# KiCad board Sound Board.kicad_pcb
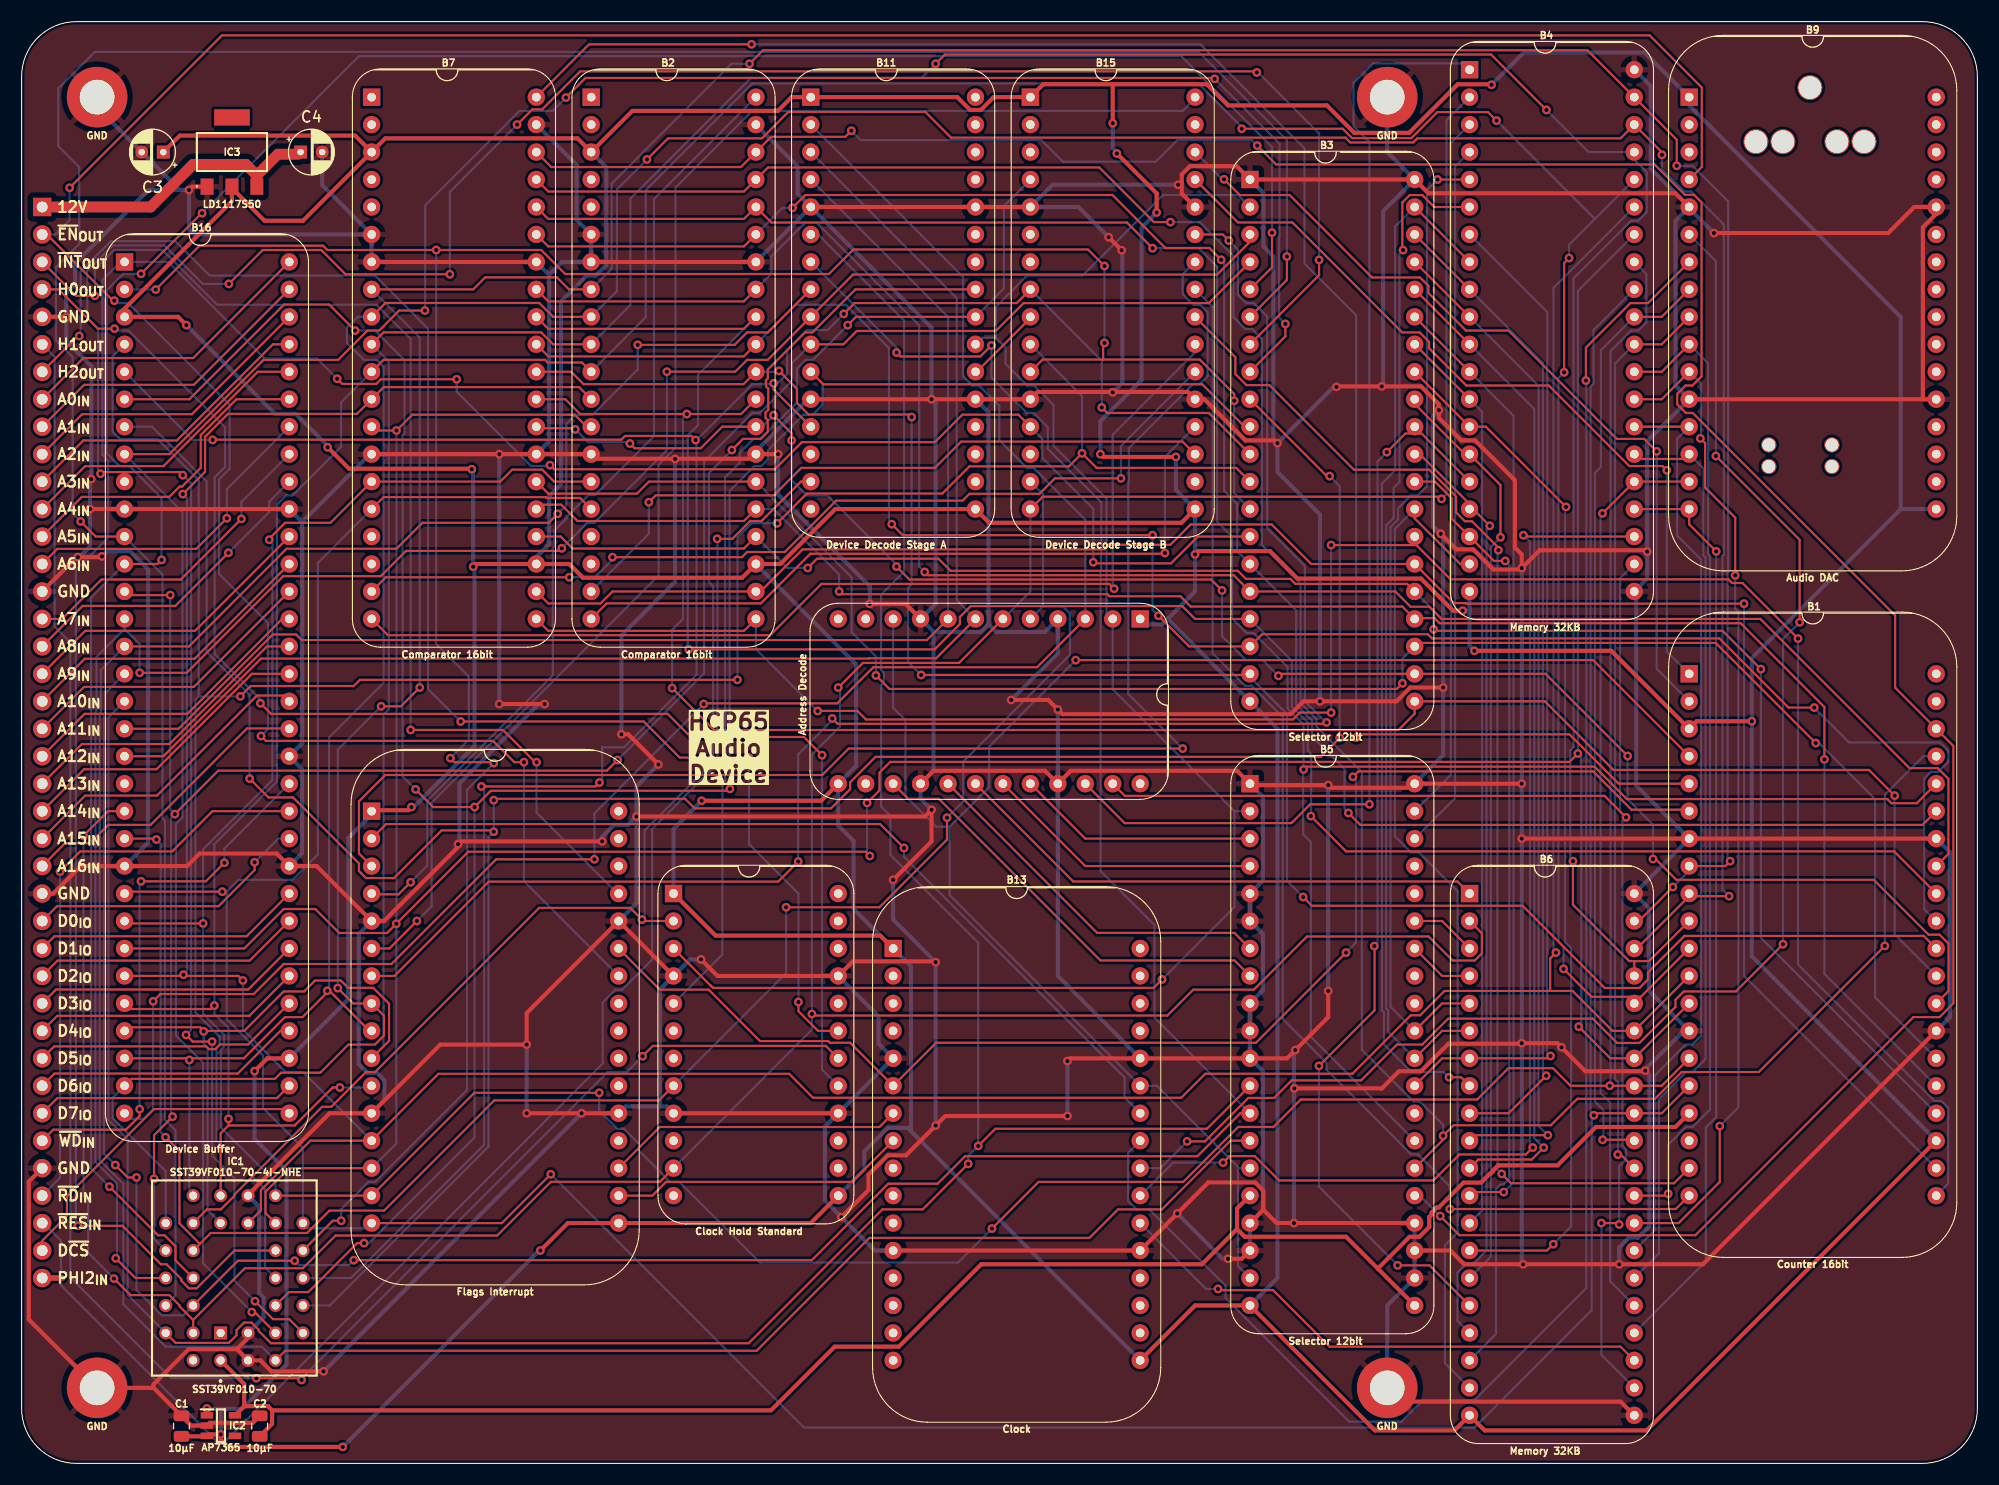
[diagram p0: board, top side]
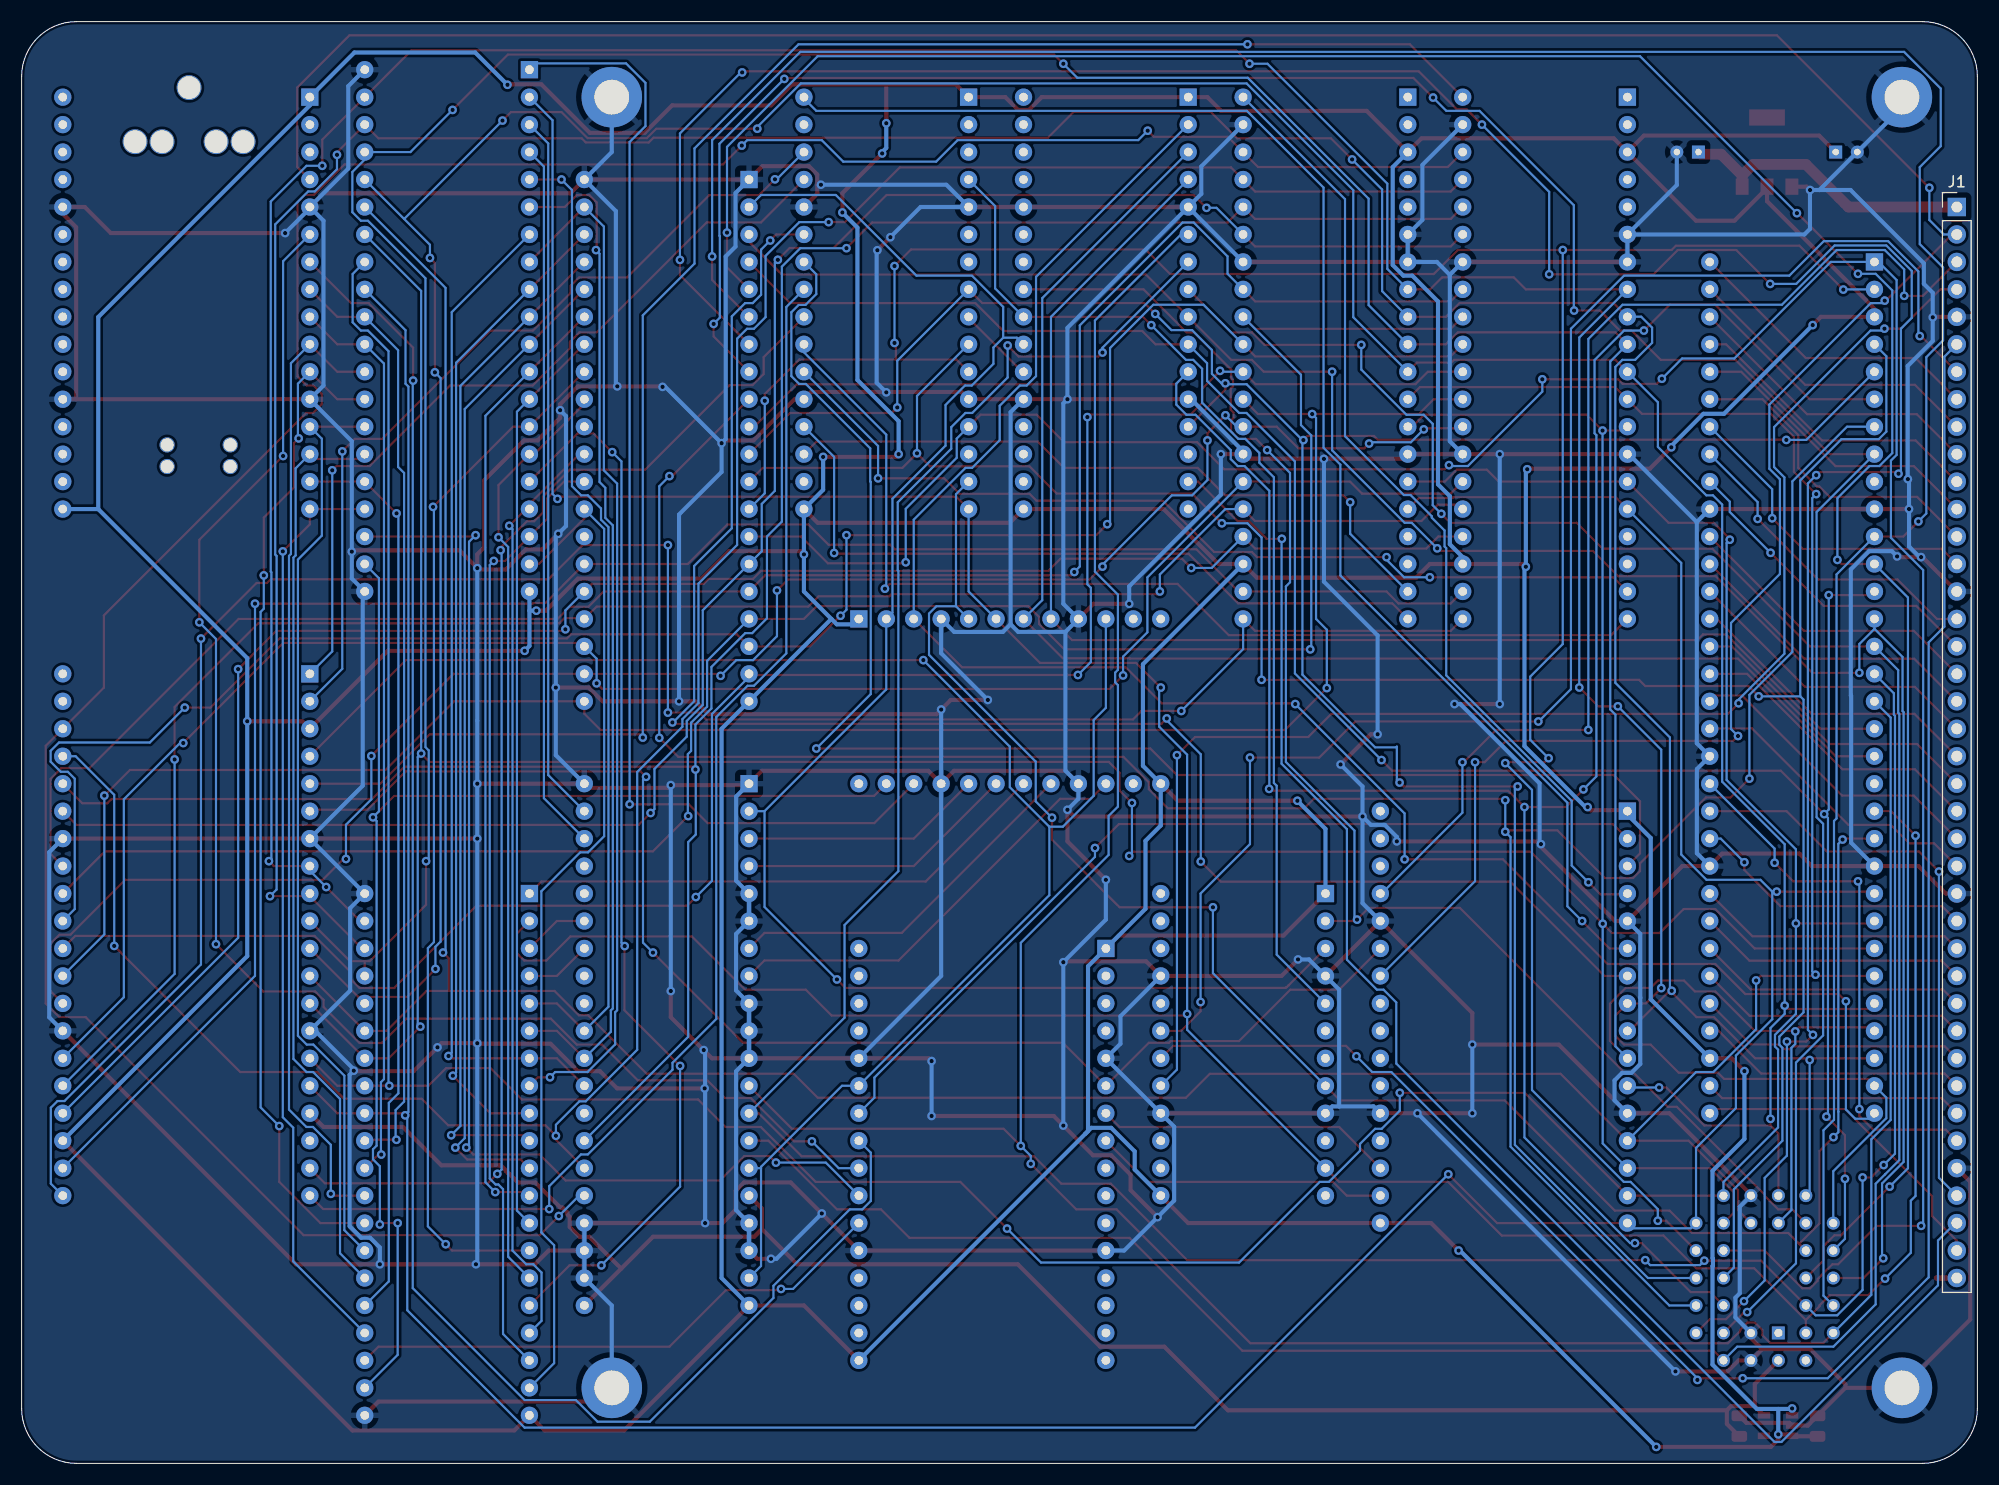
[diagram p1: board, bottom side, seen from below]

Outline 180.97 x 133.35 mm; copper layers: Top, Bottom. Coordinates in mm from the lower left corner of the outline.
Outline path: 0,128.27 arc(1.49,131.86) 5.08,133.35 175.89,133.35 arc(179.49,131.86) 180.97,128.27 180.97,5.08 arc(179.49,1.49) 175.89,0 5.08,0 arc(1.49,1.49) 0,5.08 0,128.27
Stack: Top 0.035mm / dielectric 1.51mm FR4 er 4.5 / Bottom 0.035mm

## Placement (name value [footprint] x y rotation side)
B1  Counter 16bit with IO  [HCP65_Counter_16bit_DIO]  154.31 73.03 0 top
B2  Comparator 16bit  [HCP65_Comparator_16bit]  52.7 126.37 0 top
B3  Selector 12bit  [HCP65_Selector_12bit]  113.66 118.75 0 top
B4  Memory 32KB  [HCP65_Memory_32KB_With_Latch]  133.98 128.91 0 top
B5  Selector 12bit  [HCP65_Selector_12bit]  113.66 62.87 0 top
B6  Memory 32KB  [HCP65_Memory_32KB_With_Latch]  133.98 52.71 0 top
B7  Comparator 16bit  [HCP65_Comparator_16bit]  32.39 126.37 0 top
B8  Flags Interrupt  [HCP65_Flags_Interrupt]  32.39 60.33 0 top
B9  Audio DAC  [HCP65_Audio_DAC]  154.31 126.37 0 top
B10  Clock Hold Standard  [HCP65_Clock_Hold_Standard]  60.32 52.71 0 top
B11  Device Decode Stage A  [HCP65_Device_Decode_Stage_A]  73.02 126.37 0 top
B12  Sound Address Decode  [HCP65_Sound_Address_Decode]  103.5 78.11 270 top
B13  Sound Clock  [HCP65_Sound_Clock]  80.64 47.63 0 top
B15  Device Decode Stage B  [HCP65_Device_Decode_Stage_B]  93.34 126.37 0 top
B16  Device Buffer  [HCP65_Device_Buffer]  9.53 111.13 0 top
C1  10µF  [C_0805]  14.79 3.43 0 top
C2  10µF  [C_0805]  22.03 3.43 0 top
C3  C_Polarized  [CP_Radial_D4.0mm_P2.00mm]  13.11 121.29 180 top
C4  C_Polarized  [CP_Radial_D4.0mm_P2.00mm]  25.81 121.29 0 top
H1  MountingHole_Pad  [HCP65_MountingHole_M3_]  6.98 126.37 0 top
H2  MountingHole_Pad  [HCP65_MountingHole_M3_]  6.98 6.99 0 top
H3  MountingHole_Pad  [HCP65_MountingHole_M3_]  126.37 6.99 0 top
H4  MountingHole_Pad  [HCP65_MountingHole_M3_]  126.37 126.37 0 top
IC1  SST39VF010-70-4I-NHE  [5408803224008]  18.41 12.06 0 top
IC2  AP7365-33WG-7  [SOT95P285X130-5N]  18.44 3.5 0 top
IC3  LD1117S50C  [LD1117S33C]  19.46 121.29 0 top
J1  Conn_01x40_Pin  [PinHeader_1x40_P2.54mm_Vertical]  1.9 116.21 180 bottom
NT1  NetTie_2  [NetTie-2_SMD_Pad0.5mm]  3.29 17.15 0 top

## Library data of the parts
B1 = -: Description: Counter 16bit; Silkscreen: Counter 16bit
B12 = -: Silkscreen: Address Decode
B13 = -: Silkscreen: Clock
C1 C2 = -: Description: Unpolarized capacitor, small symbol
C3 C4 = -: Description: Polarized capacitor
H1-H4 = -: Description: Mounting Hole with connection
IC1 = -: Description: Preci-Dip 1.27mm Pitch Female PLCC Socket, 32 Way, Through Hole, Tin Plated Contacts 1A; Height: 8.2; Manufacturer_Name: Microchip; Silkscreen: SST39VF010-70
IC2 = -: Description: DiodesZetex AP7365-33WG-7, LDO Voltage Regulator, 600mA, 3.3 V +/-2%, 2  6 Vin, 5-Pin SOT-25; Arrow Price/Stock: https://www.arrow.com/en/products/ap7365-33wg-7/diodes-incorporated?region=nac; Height: 1.3; Manufacturer_Name: Diodes Inc.; Mouser Part Number: 621-AP7365-33WG-7; Mouser Price/Stock: https://www.mouser.co.uk/ProductDetail/Diodes-Incorporated/AP7365-33WG-7?qs=abZ1nkZpTuOZFvxvoFPL0w%3D%3D; Silkscreen: AP7365
IC3 = -: Description: IC: voltage regulator; LDO, linear, fixed; 5.0V; 0.95A; SOT223; SMD; Height: 1.8; Manufacturer_Name: STMicroelectronics; Silkscreen: LD1117S50
J1 = -: Description: Generic connector, single row, 01x40, script generated
NT1 = -: Description: Net tie, 2 pins

## Footprints (pads in the part's own frame, mm; a bottom-side part is the same pattern mirrored in y, then rotated)
5408803224008
  rect 1.2x1.2 hole 0.75: 1(0,0)
  round 1.2 hole 0.75: 2(2.54,-2.54) 3(2.54,0) 4(5.08,-2.54) 5(7.62,0) 6(5.08,0) 7(7.62,2.54) 8(5.08,2.54) 9(7.62,5.08) 10(5.08,5.08) 11(7.62,7.62) 12(5.08,7.62) 13(7.62,10.16) 14(5.08,12.7) 15(5.08,10.16) 16(2.54,12.7) 17(2.54,10.16) 18(0,12.7) 19(0,10.16) 20(-2.54,12.7) 21(-5.08,10.16) 22(-2.54,10.16) 23(-5.08,7.62) 24(-2.54,7.62) 25(-5.08,5.08) 26(-2.54,5.08) 27(-5.08,2.54) 28(-2.54,2.54) 29(-5.08,0) 30(-2.54,-2.54) 31(-2.54,0) 32(0,-2.54)
C_0805
  rrect 1.45x1 smd: 1(0,-0.934) 2(0,0.966)
CP_Radial_D4.0mm_P2.00mm
  rect 1.2x1.2 hole 0.6: 1(0,0)
  round 1.2 hole 0.6: 2(2,0)
HCP65_Audio_DAC
  round 2.3 hole 2.1: (6.176,-4.119) (8.676,-4.119) (11.176,0.881) (13.676,-4.119) (16.176,-4.119)
  round 1.4 hole 1.2: (7.366,-32.163) (7.366,-34.163) (13.208,-32.163) (13.208,-34.163)
  rect 1.6x1.6 hole 0.8: 1(0,0)
  oval 1.6x1.6 hole 0.8: 2(0,-2.54) 3(0,-5.08) 4(0,-7.62) 5(0,-10.16) 6(0,-12.7) 7(0,-15.24) 8(0,-17.78) 9(0,-20.32) 10(0,-22.86) 11(0,-25.4) 12(0,-27.94) 13(0,-30.48) 14(0,-33.02) 15(0,-35.56) 16(0,-38.1) 17(22.86,-38.1) 18(22.86,-35.56) 19(22.86,-33.02) 20(22.86,-30.48) 21(22.86,-27.94) 22(22.86,-25.4) 23(22.86,-22.86) 24(22.86,-20.32) 25(22.86,-17.78) 26(22.86,-15.24) 27(22.86,-12.7) 28(22.86,-10.16) 29(22.86,-7.62) 30(22.86,-5.08) 31(22.86,-2.54) 32(22.86,0)
HCP65_Clock_Hold_Standard
  rect 1.6x1.6 hole 0.8: 1(0,0)
  oval 1.6x1.6 hole 0.8: 2(0,-2.54) 3(0,-5.08) 4(0,-7.62) 5(0,-10.16) 6(0,-12.7) 7(0,-15.24) 8(0,-17.78) 9(0,-20.32) 10(0,-22.86) 11(0,-25.4) 12(0,-27.94) 13(15.24,-27.94) 14(15.24,-25.4) 15(15.24,-22.86) 16(15.24,-20.32) 17(15.24,-17.78) 18(15.24,-15.24) 19(15.24,-12.7) 20(15.24,-10.16) 21(15.24,-7.62) 22(15.24,-5.08) 23(15.24,-2.54) 24(15.24,0)
HCP65_Comparator_16bit
  rect 1.6x1.6 hole 0.8: 1(0,0)
  oval 1.6x1.6 hole 0.8: 2(0,-2.54) 3(0,-5.08) 4(0,-7.62) 5(0,-10.16) 6(0,-12.7) 7(0,-15.24) 8(0,-17.78) 9(0,-20.32) 10(0,-22.86) 11(0,-25.4) 12(0,-27.94) 13(0,-30.48) 14(0,-33.02) 15(0,-35.56) 16(0,-38.1) 17(0,-40.64) 18(0,-43.18) 19(0,-45.72) 20(0,-48.26) 21(15.24,-48.26) 22(15.24,-45.72) 23(15.24,-43.18) 24(15.24,-40.64) 25(15.24,-38.1) 26(15.24,-35.56) 27(15.24,-33.02) 28(15.24,-30.48) 29(15.24,-27.94) 30(15.24,-25.4) 31(15.24,-22.86) 32(15.24,-20.32) 33(15.24,-17.78) 34(15.24,-15.24) 35(15.24,-12.7) 36(15.24,-10.16) 37(15.24,-7.62) 38(15.24,-5.08) 39(15.24,-2.54) 40(15.24,0)
HCP65_Counter_16bit_DIO
  rect 1.6x1.6 hole 0.8: 1(0,0)
  oval 1.6x1.6 hole 0.8: 2(0,-2.54) 3(0,-5.08) 4(0,-7.62) 5(0,-10.16) 6(0,-12.7) 7(0,-15.24) 8(0,-17.78) 9(0,-20.32) 10(0,-22.86) 11(0,-25.4) 12(0,-27.94) 13(0,-30.48) 14(0,-33.02) 15(0,-35.56) 16(0,-38.1) 17(0,-40.64) 18(0,-43.18) 19(0,-45.72) 20(0,-48.26) 21(22.86,-48.26) 22(22.86,-45.72) 23(22.86,-43.18) 24(22.86,-40.64) 25(22.86,-38.1) 26(22.86,-35.56) 27(22.86,-33.02) 28(22.86,-30.48) 29(22.86,-27.94) 30(22.86,-25.4) 31(22.86,-22.86) 32(22.86,-20.32) 33(22.86,-17.78) 34(22.86,-15.24) 35(22.86,-12.7) 36(22.86,-10.16) 37(22.86,-7.62) 38(22.86,-5.08) 39(22.86,-2.54) 40(22.86,0)
HCP65_Device_Buffer
  rect 1.6x1.6 hole 0.8: 1(0,0)
  oval 1.6x1.6 hole 0.8: 2(0,-2.54) 3(0,-5.08) 4(0,-7.62) 5(0,-10.16) 6(0,-12.7) 7(0,-15.24) 8(0,-17.78) 9(0,-20.32) 10(0,-22.86) 11(0,-25.4) 12(0,-27.94) 13(0,-30.48) 14(0,-33.02) 15(0,-35.56) 16(0,-38.1) 17(0,-40.64) 18(0,-43.18) 19(0,-45.72) 20(0,-48.26) 21(0,-50.8) 22(0,-53.34) 23(0,-55.88) 24(0,-58.42) 25(0,-60.96) 26(0,-63.5) 27(0,-66.04) 28(0,-68.58) 29(0,-71.12) 30(0,-73.66) 31(0,-76.2) 32(0,-78.74) 33(15.24,-78.74) 34(15.24,-76.2) 35(15.24,-73.66) 36(15.24,-71.12) 37(15.24,-68.58) 38(15.24,-66.04) 39(15.24,-63.5) 40(15.24,-60.96) 41(15.24,-58.42) 42(15.24,-55.88) 43(15.24,-53.34) 44(15.24,-50.8) 45(15.24,-48.26) 46(15.24,-45.72) 47(15.24,-43.18) 48(15.24,-40.64) 49(15.24,-38.1) 50(15.24,-35.56) 51(15.24,-33.02) 52(15.24,-30.48) 53(15.24,-27.94) 54(15.24,-25.4) 55(15.24,-22.86) 56(15.24,-20.32) 57(15.24,-17.78) 58(15.24,-15.24) 59(15.24,-12.7) 60(15.24,-10.16) 61(15.24,-7.62) 62(15.24,-5.08) 63(15.24,-2.54) 64(15.24,0)
HCP65_Device_Decode_Stage_A
  rect 1.6x1.6 hole 0.8: 1(0,0)
  oval 1.6x1.6 hole 0.8: 2(0,-2.54) 3(0,-5.08) 4(0,-7.62) 5(0,-10.16) 6(0,-12.7) 7(0,-15.24) 8(0,-17.78) 9(0,-20.32) 10(0,-22.86) 11(0,-25.4) 12(0,-27.94) 13(0,-30.48) 14(0,-33.02) 15(0,-35.56) 16(0,-38.1) 17(15.24,-38.1) 18(15.24,-35.56) 19(15.24,-33.02) 20(15.24,-30.48) 21(15.24,-27.94) 22(15.24,-25.4) 23(15.24,-22.86) 24(15.24,-20.32) 25(15.24,-17.78) 26(15.24,-15.24) 27(15.24,-12.7) 28(15.24,-10.16) 29(15.24,-7.62) 30(15.24,-5.08) 31(15.24,-2.54) 32(15.24,0)
HCP65_Device_Decode_Stage_B
  rect 1.6x1.6 hole 0.8: 1(0,0)
  oval 1.6x1.6 hole 0.8: 2(0,-2.54) 3(0,-5.08) 4(0,-7.62) 5(0,-10.16) 6(0,-12.7) 7(0,-15.24) 8(0,-17.78) 9(0,-20.32) 10(0,-22.86) 11(0,-25.4) 12(0,-27.94) 13(0,-30.48) 14(0,-33.02) 15(0,-35.56) 16(0,-38.1) 17(15.24,-38.1) 18(15.24,-35.56) 19(15.24,-33.02) 20(15.24,-30.48) 21(15.24,-27.94) 22(15.24,-25.4) 23(15.24,-22.86) 24(15.24,-20.32) 25(15.24,-17.78) 26(15.24,-15.24) 27(15.24,-12.7) 28(15.24,-10.16) 29(15.24,-7.62) 30(15.24,-5.08) 31(15.24,-2.54) 32(15.24,0)
HCP65_Flags_Interrupt
  rect 1.6x1.6 hole 0.8: 1(0,0)
  oval 1.6x1.6 hole 0.8: 2(0,-2.54) 3(0,-5.08) 4(0,-7.62) 5(0,-10.16) 6(0,-12.7) 7(0,-15.24) 8(0,-17.78) 9(0,-20.32) 10(0,-22.86) 11(0,-25.4) 12(0,-27.94) 13(0,-30.48) 14(0,-33.02) 15(0,-35.56) 16(0,-38.1) 17(22.86,-38.1) 18(22.86,-35.56) 19(22.86,-33.02) 20(22.86,-30.48) 21(22.86,-27.94) 22(22.86,-25.4) 23(22.86,-22.86) 24(22.86,-20.32) 25(22.86,-17.78) 26(22.86,-15.24) 27(22.86,-12.7) 28(22.86,-10.16) 29(22.86,-7.62) 30(22.86,-5.08) 31(22.86,-2.54) 32(22.86,0)
HCP65_Memory_32KB_With_Latch
  rect 1.6x1.6 hole 0.8: 1(0,0)
  oval 1.6x1.6 hole 0.8: 2(0,-2.54) 3(0,-5.08) 4(0,-7.62) 5(0,-10.16) 6(0,-12.7) 7(0,-15.24) 8(0,-17.78) 9(0,-20.32) 10(0,-22.86) 11(0,-25.4) 12(0,-27.94) 13(0,-30.48) 14(0,-33.02) 15(0,-35.56) 16(0,-38.1) 17(0,-40.64) 18(0,-43.18) 19(0,-45.72) 20(0,-48.26) 21(15.24,-48.26) 22(15.24,-45.72) 23(15.24,-43.18) 24(15.24,-40.64) 25(15.24,-38.1) 26(15.24,-35.56) 27(15.24,-33.02) 28(15.24,-30.48) 29(15.24,-27.94) 30(15.24,-25.4) 31(15.24,-22.86) 32(15.24,-20.32) 33(15.24,-17.78) 34(15.24,-15.24) 35(15.24,-12.7) 36(15.24,-10.16) 37(15.24,-7.62) 38(15.24,-5.08) 39(15.24,-2.54) 40(15.24,0)
HCP65_MountingHole_M3_
  round 5.6 hole 3.2: 1(0,0)
HCP65_Selector_12bit
  rect 1.6x1.6 hole 0.8: 1(0,0)
  oval 1.6x1.6 hole 0.8: 2(0,-2.54) 3(0,-5.08) 4(0,-7.62) 5(0,-10.16) 6(0,-12.7) 7(0,-15.24) 8(0,-17.78) 9(0,-20.32) 10(0,-22.86) 11(0,-25.4) 12(0,-27.94) 13(0,-30.48) 14(0,-33.02) 15(0,-35.56) 16(0,-38.1) 17(0,-40.64) 18(0,-43.18) 19(0,-45.72) 20(0,-48.26) 21(15.24,-48.26) 22(15.24,-45.72) 23(15.24,-43.18) 24(15.24,-40.64) 25(15.24,-38.1) 26(15.24,-35.56) 27(15.24,-33.02) 28(15.24,-30.48) 29(15.24,-27.94) 30(15.24,-25.4) 31(15.24,-22.86) 32(15.24,-20.32) 33(15.24,-17.78) 34(15.24,-15.24) 35(15.24,-12.7) 36(15.24,-10.16) 37(15.24,-7.62) 38(15.24,-5.08) 39(15.24,-2.54) 40(15.24,0)
HCP65_Sound_Address_Decode
  rect 1.6x1.6 hole 0.8: 1(0,0)
  oval 1.6x1.6 hole 0.8: 2(0,-2.54) 3(0,-5.08) 4(0,-7.62) 5(0,-10.16) 6(0,-12.7) 7(0,-15.24) 8(0,-17.78) 9(0,-20.32) 10(0,-22.86) 11(0,-25.4) 12(0,-27.94) 13(15.24,-27.94) 14(15.24,-25.4) 15(15.24,-22.86) 16(15.24,-20.32) 17(15.24,-17.78) 18(15.24,-15.24) 19(15.24,-12.7) 20(15.24,-10.16) 21(15.24,-7.62) 22(15.24,-5.08) 23(15.24,-2.54) 24(15.24,0)
HCP65_Sound_Clock
  rect 1.6x1.6 hole 0.8: 1(0,0)
  oval 1.6x1.6 hole 0.8: 2(0,-2.54) 3(0,-5.08) 4(0,-7.62) 5(0,-10.16) 6(0,-12.7) 7(0,-15.24) 8(0,-17.78) 9(0,-20.32) 10(0,-22.86) 11(0,-25.4) 12(0,-27.94) 13(0,-30.48) 14(0,-33.02) 15(0,-35.56) 16(0,-38.1) 17(22.86,-38.1) 18(22.86,-35.56) 19(22.86,-33.02) 20(22.86,-30.48) 21(22.86,-27.94) 22(22.86,-25.4) 23(22.86,-22.86) 24(22.86,-20.32) 25(22.86,-17.78) 26(22.86,-15.24) 27(22.86,-12.7) 28(22.86,-10.16) 29(22.86,-7.62) 30(22.86,-5.08) 31(22.86,-2.54) 32(22.86,0)
LD1117S33C
  rect 1.2x1.5 smd: 1(-2.3,-3.2) 2(0,-3.2) 3(2.3,-3.2)
  rect 3.3x1.5 smd: 4(0,3.2)
NetTie-2_SMD_Pad0.5mm
  round 0.5 smd: 1(-0.5,0) 2(0.5,0)
PinHeader_1x40_P2.54mm_Vertical
  rect 1.7x1.7 hole 1: 1(0,0)
  oval 1.7x1.7 hole 1: 2(0,-2.54) 3(0,-5.08) 4(0,-7.62) 5(0,-10.16) 6(0,-12.7) 7(0,-15.24) 8(0,-17.78) 9(0,-20.32) 10(0,-22.86) 11(0,-25.4) 12(0,-27.94) 13(0,-30.48) 14(0,-33.02) 15(0,-35.56) 16(0,-38.1) 17(0,-40.64) 18(0,-43.18) 19(0,-45.72) 20(0,-48.26) 21(0,-50.8) 22(0,-53.34) 23(0,-55.88) 24(0,-58.42) 25(0,-60.96) 26(0,-63.5) 27(0,-66.04) 28(0,-68.58) 29(0,-71.12) 30(0,-73.66) 31(0,-76.2) 32(0,-78.74) 33(0,-81.28) 34(0,-83.82) 35(0,-86.36) 36(0,-88.9) 37(0,-91.44) 38(0,-93.98) 39(0,-96.52) 40(0,-99.06)
SOT95P285X130-5N
  rect 1.15x0.6 smd: 1(-1.3,0.95) 2(-1.3,0) 3(-1.3,-0.95) 4(1.3,-0.95) 5(1.3,0.95)

## Nets
/3.3V: B1.17 B5.16 B5.21 C2.1 IC1.32 IC2.5
/5V: B1.3 B1.23 B2.3 B2.23 B3.20 B4.20 B5.20 B6.20 B7.3 B7.23 B8.1 B8.17 B9.1 B9.17 B10.1 B10.13 B11.1 B11.17 B12.1 B12.13 B13.1 B13.17 B15.1 B15.17 B16.3 B16.35 C1.1 C3.1 IC2.1 IC2.3 IC3.2
/12V: C4.1 IC3.3 J1.1
/GND: B1.7 B1.14 B1.27 B1.34 B2.6 B2.7 B2.14 B2.27 B2.34 B2.39 B3.1 B3.40 B4.21 B4.40 B5.1 B5.5 B5.6 B5.9 B5.10 B5.11 B5.17 B5.18 B5.22 B5.23 B5.24 B5.40 B6.21 B6.40 B7.6 B7.7 B7.14 B7.27 B7.34 B7.39 B8.5 B8.12 B8.21 B8.28 B9.5 B9.12 B9.21 B9.28 B10.4 B10.9 B10.16 B10.21 B11.5 B11.12 B11.21 B11.28 B12.4 B12.9 B12.16 B12.21 B13.5 B13.12 B13.21 B13.28 B15.5 B15.12 B15.21 B15.28 B16.10 B16.23 B16.42 B16.46 B16.55 C1.2 C2.2 C3.2 C4.2 H1.1 H2.1 H3.1 H4.1 IC1.2 IC1.3 IC1.16 IC2.2 IC3.1 J1.5 J1.15 J1.26 J1.36
/A0: B3.14 B15.13 B16.1 IC1.12
/A0_{IN}: B16.64 J1.8
/A1: B3.13 B15.11 B16.2 IC1.11
/A1_{IN}: B16.63 J1.9
/A2: B3.12 B15.10 B16.4 IC1.10
/A2_{IN}: B16.62 J1.10
/A3: B3.11 B11.13 B15.8 B16.5 IC1.9
/A3_{IN}: B16.61 J1.11
/A4: B3.10 B11.11 B16.6 IC1.8
/A4_{IN}: B16.60 J1.12
/A5: B3.9 B16.7 IC1.7
/A5_{IN}: B16.59 J1.13
/A6: B3.8 B16.8 IC1.6
/A6_{IN}: B16.58 J1.14
/A7: B3.7 B16.9 IC1.5
/A7_{IN}: B16.57 J1.16
/A8: B3.6 B16.11 IC1.27
/A8_{IN}: B16.56 J1.17
/A9: B3.5 B16.12 IC1.26
/A9_{IN}: B16.54 J1.18
/A10: B3.4 B11.10 B16.13 IC1.23
/A10_{IN}: B16.53 J1.19
/A11: B3.3 B11.9 B16.14 IC1.25
/A11_{IN}: B16.52 J1.20
/A12: B5.14 B11.8 B16.15 IC1.4
/A12_{IN}: B16.51 J1.21
/A13: B5.13 B11.7 B16.16 IC1.28
/A13_{IN}: B16.50 J1.22
/A14: B5.12 B11.6 B16.17 IC1.29
/A14_{IN}: B16.49 J1.23
/A15: B11.4 B12.8 B16.18
/A15_{IN}: B16.48 J1.24
/A16: B11.3 B12.7 B16.19
/A16_{IN}: B16.47 J1.25
/A ~{OE}: B4.3 B5.39
/A ~{WE}: B4.4 B5.38
/B ~{OE}: B5.35 B6.3
/B ~{WE}: B5.34 B6.4
/C0: B1.21 B2.21 B3.27 B7.21
/C1: B1.22 B2.22 B3.26 B7.22
/C2: B1.24 B2.24 B3.25 B7.24
/C3: B1.25 B2.25 B3.24 B7.25
/C4: B1.26 B2.26 B3.23 B7.26
/C5: B1.28 B2.28 B3.22 B7.28
/C6: B1.29 B2.29 B3.21 B7.29
/C7: B1.30 B2.30 B3.19 B7.30
/C8: B1.31 B2.31 B3.18 B7.31
/C9: B1.32 B2.32 B3.17 B7.32
/C10: B1.33 B2.33 B3.16 B7.33
/C11: B1.35 B2.35 B3.15 B7.35
/C12: B1.36 B2.36 B5.27 B7.36
/C13: B1.37 B2.37 B5.26 B7.37
/C14: B1.38 B2.38 B5.25 B7.38
/CLK: B1.4 B5.15 B5.19 B12.10 B13.27
/Clock Select _{S0}: B8.18 B13.8
/Clock Select _{S1}: B8.19 B13.7
/CPU A ~{OE}: B5.3 B12.20
/CPU A ~{OE}·~{WE}: B4.1 B12.22
/CPU A ~{WE}: B5.4 B12.19
/CPU B ~{OE}: B5.7 B12.17
/CPU B ~{OE}·~{WE}: B6.1 B12.18
/CPU B ~{WE}: B5.8 B12.15
/D0: B1.16 B2.16 B4.32 B6.32 B7.16 B8.16 B16.24 IC1.13
/D0_{IN/OUT}: B16.43 J1.27
/D1: B1.15 B2.15 B4.33 B6.33 B7.15 B8.15 B16.25 IC1.14
/D1_{IN/OUT}: B16.41 J1.28
/D2: B1.13 B2.13 B4.34 B6.34 B7.13 B8.14 B16.26 IC1.15
/D2_{IN/OUT}: B16.40 J1.29
/D3: B1.12 B2.12 B4.35 B6.35 B7.12 B8.13 B16.27 IC1.17
/D3_{IN/OUT}: B16.39 J1.30
/D4: B1.11 B2.11 B4.36 B6.36 B7.11 B8.11 B16.28 IC1.18
/D4_{IN/OUT}: B16.38 J1.31
/D5: B1.10 B2.10 B4.37 B6.37 B7.10 B8.10 B16.29 IC1.19
/D5_{IN/OUT}: B16.37 J1.32
/D6: B1.9 B2.9 B4.38 B6.38 B7.9 B8.9 B16.30 IC1.20
/D6_{IN/OUT}: B16.36 J1.33
/D7: B1.8 B2.8 B4.39 B6.39 B7.8 B8.8 B16.31 IC1.21
/D7_{IN/OUT}: B16.34 J1.34
/Device ~{CS}: B11.2 B12.3 B16.32
/Device ~{CS} _{IN}: B16.33 J1.39
/Enable: B1.6 B8.27 B13.6
/H0_{OUT}: B10.17 J1.4
/H1_{OUT}: B10.18 J1.6
/H2_{OUT}: B10.19 J1.7
/M0: B3.28 B4.19 B6.19
/M1: B3.29 B4.18 B6.18
/M2: B3.30 B4.17 B6.17
/M3: B3.31 B4.16 B6.16
/M4: B3.32 B4.15 B6.15
/M5: B3.33 B4.14 B6.14
/M6: B3.34 B4.13 B6.13
/M7: B3.35 B4.12 B6.12
/M8: B3.36 B4.11 B6.11
/M9: B3.37 B4.10 B6.10
/M10: B3.38 B4.9 B6.9
/M11: B3.39 B4.8 B6.8
/M12: B4.7 B5.29 B6.7
/M13: B4.6 B5.30 B6.6
/M14: B4.5 B5.31 B6.5
/MAX0: B4.24 B6.24 B9.16
/MAX1: B4.25 B6.25 B9.15
/MAX2: B4.26 B6.26 B9.14
/MAX3: B4.27 B6.27 B9.13
/MAX4: B4.28 B6.28 B9.11
/MAX5: B4.29 B6.29 B9.10
/MAX6: B4.30 B6.30 B9.9
/MAX7: B4.31 B6.31 B9.8
/MAX_{A0}: B9.6 B13.24
/MAX_{~{WR}}: B9.7 B13.25
/PHI2_{IN}: J1.40 NT1.1
/Read Counter Address High: B1.1 B15.29
/Read Counter Address Low: B1.2 B15.30
/Read Flags: B8.6 B15.32
/Sound Address: B4.22 B6.22 B12.23
/Write Clear Interrupt: B8.3 B15.26
/Write End Address High: B7.19 B15.22
/Write End Address Low: B7.20 B15.23
/Write Flags: B8.7 B15.27
/Write Interrupt Address High: B2.19 B15.19
/Write Interrupt Address Low: B2.20 B15.20
/Write Start Address High: B1.19 B15.24
/Write Start Address Low: B1.20 B15.25
/~{A4}: B11.22 B15.9
/~{CLK}: B8.2 B13.26
/~{CPU Address}: B3.2 B5.2 B10.3 B11.23 B12.2
/~{Device Registers}: B10.5 B11.24 B15.4
/~{Device ROM}: B10.2 B11.25 IC1.22
/~{Enable} _{OUT}: B8.26 B9.4 J1.2
/~{End} _{CMP}: B1.5 B7.40
/~{Interrupt} _{CMP}: B2.40 B8.4
/~{Interrupt} _{OUT}: B8.29 J1.3
/~{RD}: B10.8 B12.5 B15.15 B16.22 IC1.24
/~{RD}_{IN}: B16.44 J1.37
/~{Reset} _{IN}: B11.15 J1.38
/~{WD}: B4.2 B6.2 B10.11 B12.6 B15.16 B16.21 IC1.31
/~{WD}_{IN}: B16.45 J1.35
/~{WR}_{A}: B4.23 B13.23
/~{WR}_{B}: B6.23 B13.22

Pads without a net: B1 18 39 40; B2 1 2 4 5 17 18; B5 28 32 33 36 37; B7 1 2 4 5 17 18; B8 20 22 23 24 25 30 31 32; B9 2 3 18 19 20 22 23 24 25 26 27 29 30 31 32; B10 6 7 10 12 14 15 20 22 23 24; B11 14 16 18 19 20 26 27 29 30 31 32; B12 11 12 14 24; B13 2 3 4 9 10 11 13 14 15 16 18 19 20 29 30 31 32; B15 2 3 6 7 14 18 31; B16 20; IC1 1 30; IC2 4; IC3 4; NT1 2

## Via types
v1: diameter 0.8, hole 0.4, Top to Bottom, 350 vias

## Routing (per net, layer and track width the routed paths; a pad name or vN(x,y) marks a point on that pad's centre or on a via; arc(x,y) is an arc through that point)
/3.3V: length 166.6
  Top w0.38: B5.21 125.49,18.02 ; 125.49,18.02 122.55,20.96 113.18,20.96 112.47,21.67 ; 125.49,18.02 128.43,20.96 129.34,20.96 130.26,21.87 130.26,22.8 130.48,23.02 130.48,23.2 130.94,23.67 131.12,23.67 133.43,25.97 135.04,25.97 135.87,26.79 135.93,26.79 136.17,27.03 136.17,27.1 136.63,27.57 136.7,27.57 136.7,27.57 142.13,27.57 145.68,31.11 153.03,31.11 B1.17 ; B5.16 112.47,23.57 112.47,21.67 ; 20.6,5.3 22.79,5.3 23.18,4.91 ; 20.6,5.3 20.6,7.34 IC1.32 ; 20.6,5.3 IC2.5 ; C2.1 23.18,3.65 23.18,4.91 ; 112.47,21.67 109.21,18.42 88.8,18.42 81.18,10.8 75.24,10.8 69.35,4.91 23.18,4.91
/5V: length 1070.6
  Top w0.38: B13.1 79.45,48.82 64.21,48.82 B10.1 ; v1(100.96,123.95) 100.96,127.56 ; 100.96,127.56 94.53,127.56 B15.1 89.95,126.37 88.76,125.18 87.77,125.18 86.58,126.37 B11.1 71.25,126.37 69.98,125.1 56.52,125.1 B2.3 51.44,122.56 33.66,122.56 B7.3 ; 100.96,127.56 109.68,127.56 111.63,125.6 120.78,125.6 123.32,123.06 128.4,123.06 132.89,127.56 135.97,127.56 v1(136.02,127.51) ; v1(105.03,115.7) 105.03,117.48 v1(101.35,121.16) ; B10.13 73.02,22.23 B8.17 50.55,22.23 v1(48.01,19.69) ; B7.3 26.04,114.94 22.48,114.94 19.46,117.95 ; B7.3 30.86,122.81 14.64,122.81 C3.1 ; v1(36.07,60.71) 35.77,60.41 32.47,60.41 ; B1.23 150.37,3.05 135.38,3.05 B6.20 132.59,3.05 125.22,3.05 B5.20 108.59,14.61 B13.17 ; B15.17 107.31,87 89.53,87 B11.17 75.29,88.27 70.21,83.19 B2.23 66.67,81.92 51.94,81.92 50.67,83.19 B7.23 42.04,83.19 v1(41.78,82.93) ; v1(134.43,75.16) 147.09,75.16 B1.3 155,68.64 v1(160.1,68.64) ; v1(28.32,93.98) 30.31,92 41.61,92 v1(41.66,91.95) ; v1(21.56,36.28) 22.74,37.47 B16.35 ; IC3.2 19.46,116.74 9.53,106.8 B16.3 14.48,106.05 v1(15.24,105.28) ; v1(99.82,93.35) 100.08,93.09 v1(106.81,93.09) ; v1(62.93,61.29) 73.99,61.29 B12.13 ; IC2.1 v1(17.15,5.08) ; v1(29.72,1.52) 19.11,1.52 18.42,2.21 v1(18.42,2.68) 17.28,2.68 ; C1.1 17.1,2.5 ; v1(133.34,78.87) 132.46,78.87 129.49,81.84 118.06,81.84 115.52,84.38 108.89,84.38 v1(108.59,84.07)
  Bottom w0.38: 133.98,78.87 v1(133.34,78.87) ; 133.98,78.87 B4.20 ; 133.98,78.87 133.98,75.6 v1(134.43,75.16) ; v1(105.03,115.7) 103.63,114.3 103.63,100.2 99.82,96.39 v1(99.82,93.35) ; v1(17.15,5.08) 17.19,5.03 18.42,5.03 ; v1(36.07,60.71) 36.28,60.71 41.91,66.34 41.91,82.8 v1(41.78,82.93) 41.78,91.82 v1(41.66,91.95) ; v1(62.93,61.29) 60.32,58.69 B10.1 ; 103.5,10.04 102.99,10.04 82.55,30.48 ; B16.35 30.23,42.93 30.23,57.85 32.39,60.01 ; B13.1 82.3,45.97 82.3,30.73 82.55,30.48 ; 82.55,30.48 81.99,31.04 80.15,31.04 77.98,28.86 77.98,27.18 B10.13 ; B2.23 77.22,73.91 77.22,64.52 B12.13 75.56,59 76.98,57.58 76.98,51.29 80.55,47.72 ; 106.05,78.1 105.55,77.61 104,77.61 ; 106.05,78.1 108.59,80.64 v1(108.59,84.07) B15.17 106.81,90.04 v1(106.81,93.09) ; 106.05,78.1 B3.20 116.2,67.95 116.2,17.15 B5.20 ; B2.3 54.1,119.89 54.1,110.84 53.12,109.86 52.29,109.86 49.91,107.47 49.91,90.55 48.81,89.46 48.81,85.01 47.62,83.82 B7.23 ; v1(100.96,123.95) 100.96,121.67 101.35,121.29 v1(101.35,121.16) ; 18.42,5.03 v1(18.42,2.68) ; 18.42,5.03 20.4,5.03 24.51,9.14 24.51,18.25 24.47,18.29 24.47,18.94 24.51,18.99 24.51,27.05 21.56,30.01 v1(21.56,36.28) ; v1(48.01,19.69) 47.88,19.69 v1(29.72,1.52) ; 173.88,88.27 B9.17 ; 173.88,88.27 160.1,74.48 v1(160.1,68.64) 160.1,46.91 B1.23 ; 173.88,88.27 173.88,106.02 154.31,125.6 B9.1 150.17,130.5 139,130.5 v1(136.02,127.51) ; v1(15.24,105.28) 23.45,97.08 25.35,97.08 28.32,94.11 v1(28.32,93.98)